# Allegro board 1155001-Timing_board_V3_20241024_1805_pcb.brd (continued)
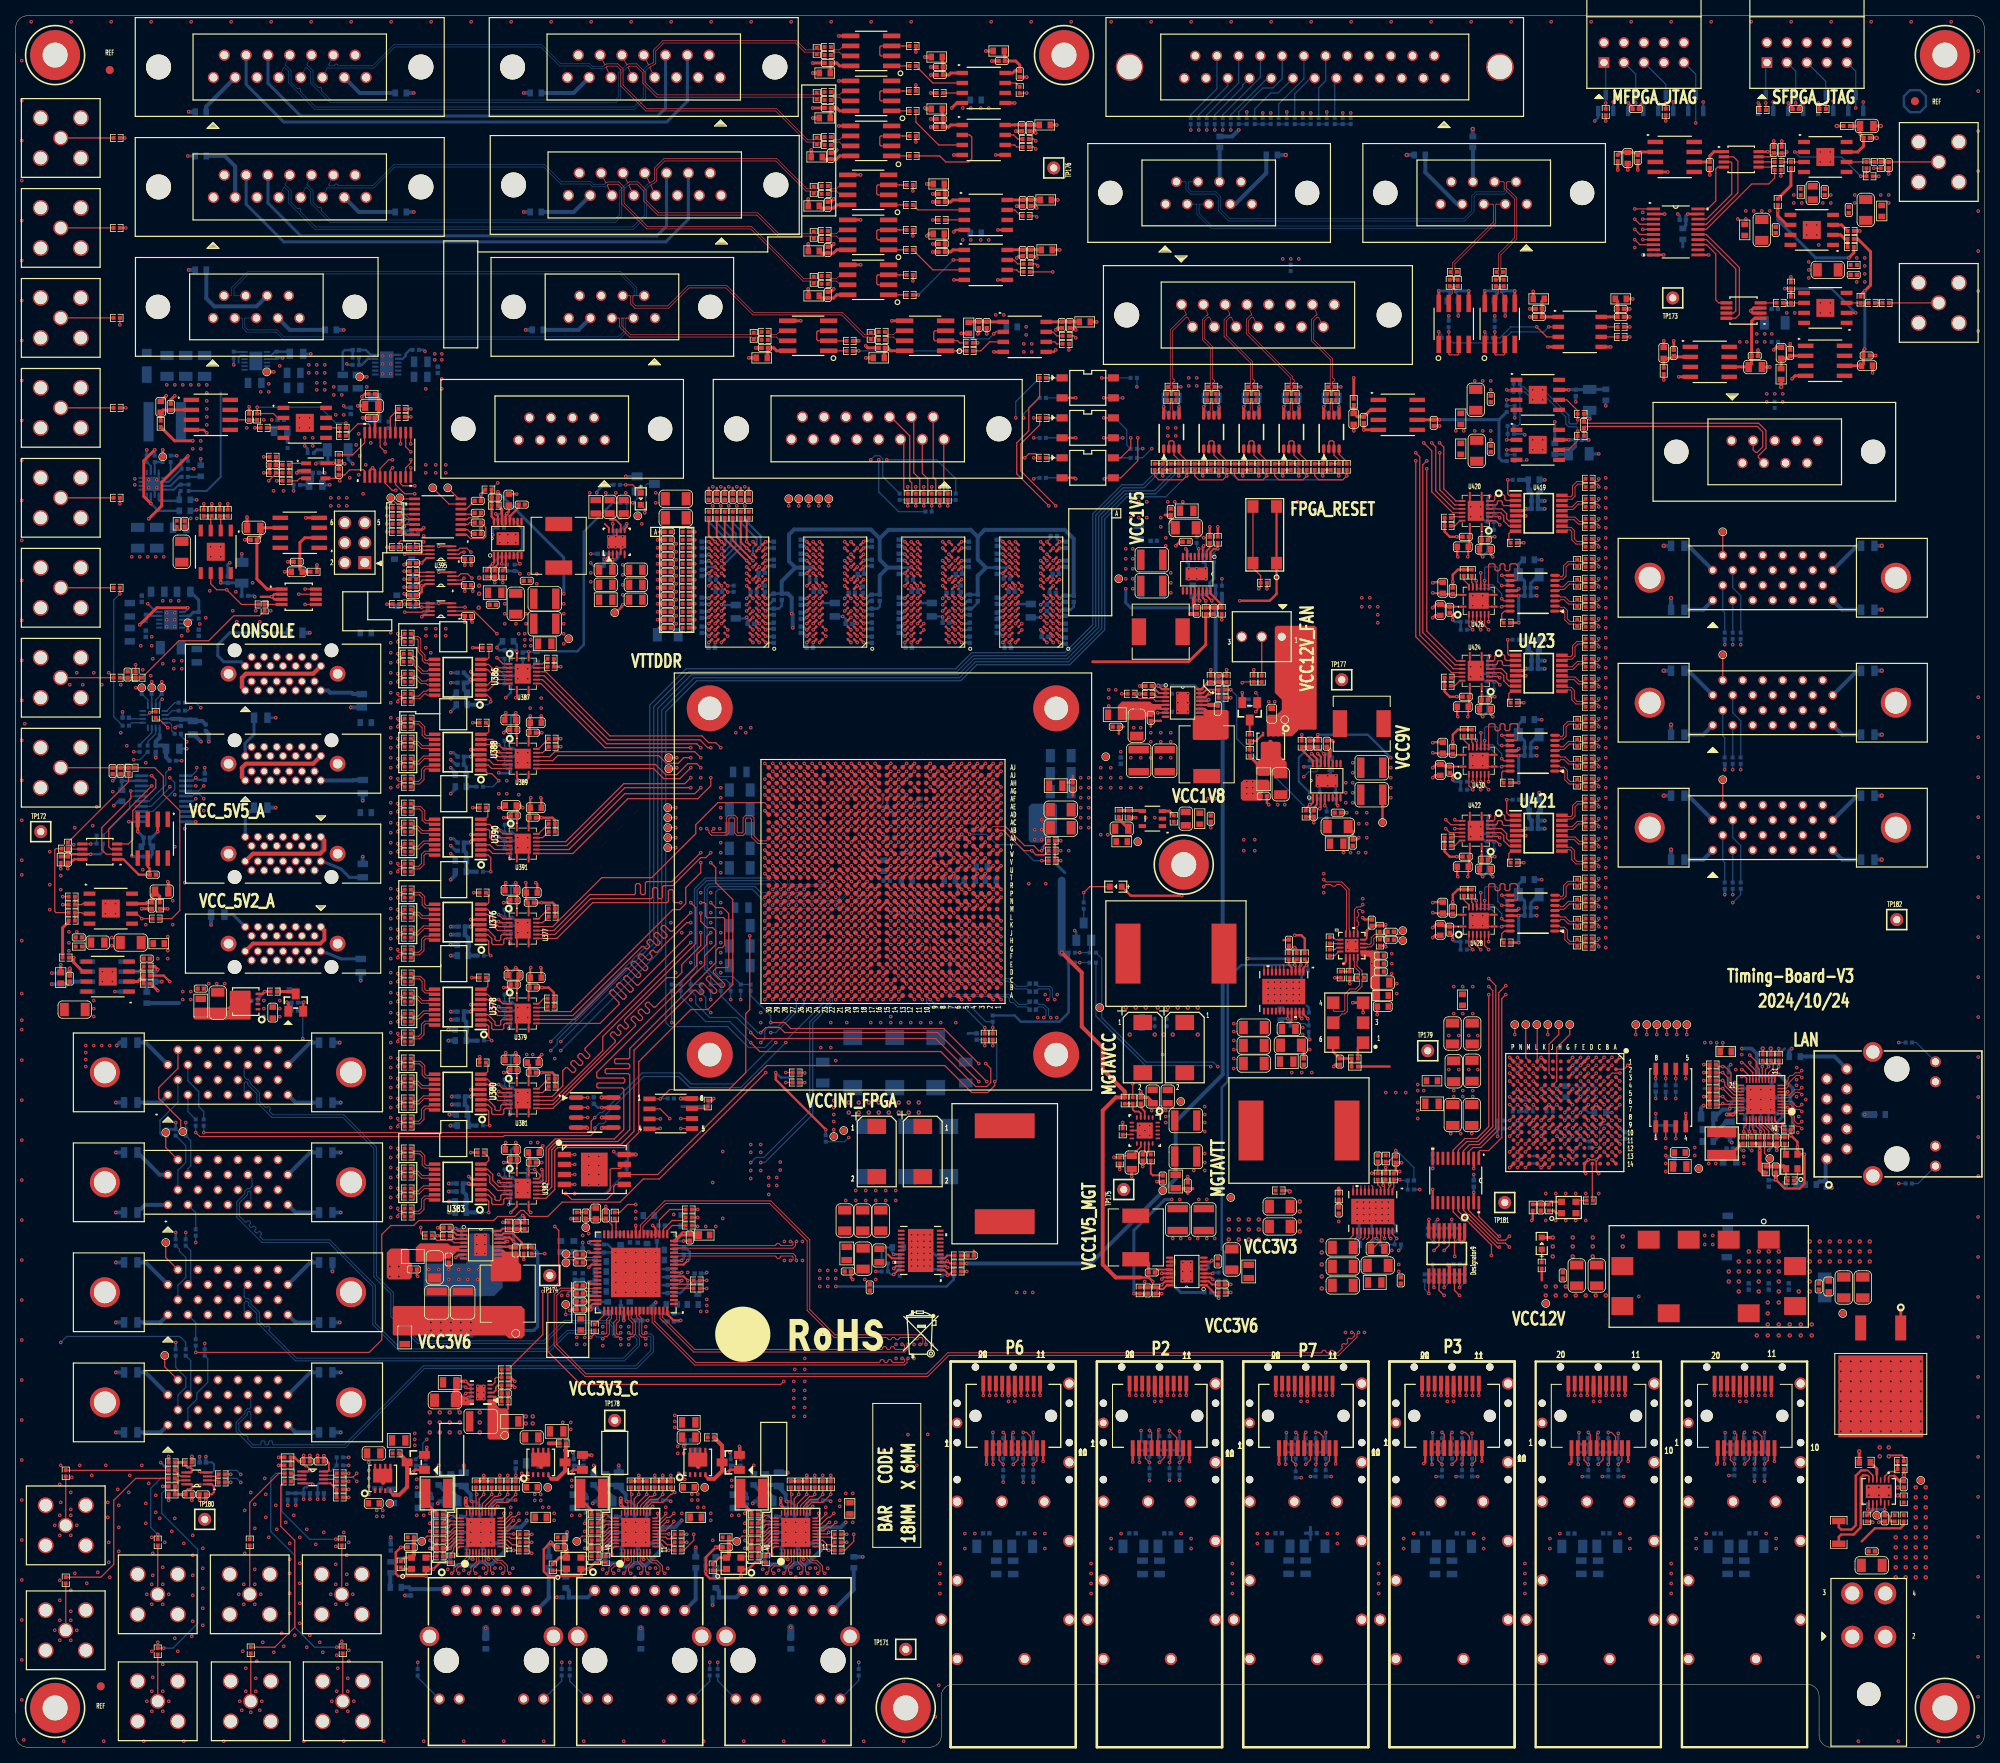
[diagram p0: board, top side]
## Nets (continued)
VCC3V3: C140.1(CAP2) C798.1(CAP2) C799.1(CAP2) C1265.2(CAP1) C2255.1(CAP2) C2256.1(CAP2) C2599.1(CAP2) C2632.2(CAP1) C2633.1(CAP2) C2634.1(CAP2) C2635.1(CAP2) C2636.1(CAP2) C2638.2(CAP1) C2641.2(CAP1) C2644.2(CAP1) C2796.1(CAP2) C2797.1(CAP2) C2800.1(CAP2) C2801.1(CAP2) C2867.2(CAP1) C2875.2(CAP1) C2876.2(CAP1) C2879.2(CAP1) C2880.2(CAP1) C2884.2(CAP1) C2888.2(CAP1) C2896.2(CAP1) C2897.2(CAP1) C2908.2(CAP1) C2911.2(CAP1) C2914.2(CAP1) C2915.2(CAP1) C2921.2(CAP1) C2922.2(CAP1) C3031.2(CAP1) C3033.2(CAP1) C3035.2(CAP1) C3036.2(CAP1) C3045.2(CAP1) C3046.2(CAP1) C3067.1(CAP2) C3068.1(CAP2) C3071.1(CAP2) C3072.1(CAP2) C3075.1(CAP2) C3076.1(CAP2) C3080.1(CAP2) D5.2 D6.2 D7.2 D8.2 DS10.1 J56.4 L6.1 L7.1 L11.1 L12.1 L43.2 L48.1 L55.2 L96.2 L97.1 L233.1 L257.1 L258.1 L259.1 L260.1 L266.1 L345.1 L356.1 L358.1 L359.1 L360.1 L361.1 L392.1 L394.1 L396.1 L398.1 L427.1 L428.1 L432.1 L433.1 L434.1 L436.1 L437.1 L438.1 L439.1 L445.1 L449.1 L461.1 L467.1 L469.1 L474.1 L476.1 L485.2 L486.1 L487.1 L488.1 L489.1 L490.1 L491.1 L492.1 L493.1 L494.1 L495.1 L511.2 L512.2 L513.2 L514.2 R11.1 R12.1 R13.1 R14.1 R18.1 R19.1 R20.1 R21.1 R22.1 R23.1 R87.1 R123.1 R124.1 R127.1 R128.1 R129.1 R130.1 R131.1 R132.1 R133.1 R134.1 R391.1 R392.1 R513.1 R516.1 R517.1 R520.1 R521.1 R658.1 R659.1 R660.1 R667.1 R668.1 R784.1 R785.1 R786.2 R787.1 R1085.2 R1115.1 R1199.1 R1928.1 R2051.1 R2052.1 R2053.1 R2054.1 R2055.1 R2056.1 R2057.1 R2058.1 R2059.1 R2060.1 R2061.1 R2062.1 R2063.1 R2064.1 R2065.1 R2066.1 R2184.1 R2187.1 R2354.1 R2409.1 R2412.1 R2415.1 R2461.1 R2462.1 R2530.1 R2609.1 R2621.1 R2874.2 R2875.2 R2897.2 R2898.2 R2915.2 R2916.2 R2921.2 R2922.2 R2953.2 R2958.2 R2977.2 R2978.2 R2995.2 R2996.2 R3177.1 R3178.1 R3179.1 R3180.1 R3181.1 R3182.1 R3183.1 R3184.1 R3188.1 R3189.1 R3190.1 R3191.1 R3192.1 R3193.1 R3194.1 R3195.1 R3199.2 R3200.2 R3215.2 R3216.2 R3231.2 R3232.2 R3339.1 R3352.1 R3359.1 R3360.1 R3367.1 R3368.1 R3375.1 R3376.1 R3383.1 R3384.1 TP45.1 U3.16(VCC) U88.M7(M0_0) U89.8(VCC) U324.2(VCCA) U324.10(OE) U350.1(VCCA) U351.8(VCCB) U352.1(VCCA) U353.8(VCCB) U377.1(VCCA) U379.1(VCCA) U381.1(VCCA) U382.1(VCCA) U387.1(VCCA) U389.1(VCCA) U391.1(VCCA) U420.1(VCCA) U422.1(VCCA) U424.1(VCCA) U426.16(VCCB) U428.16(VCCB) U430.16(VCCB) U431.19(VCCB) U432.16(VCC)
VCC3V3_1: C2885.1(CAP2) C2889.2(CAP1) C2890.1(CAP2) L433.2 R2876.1 U376.4(VCC)
VCC3V3_2: C2891.1(CAP2) C2892.2(CAP1) C2893.1(CAP2) L434.2 R2889.1 U378.4(VCC)
VCC3V3_3: C2881.1(CAP2) C2882.1(CAP2) C2886.2(CAP1) L432.2 R2905.1 U380.4(VCC)
VCC3V3_4: C2904.1(CAP2) C2906.2(CAP1) C2907.1(CAP2) L436.2 R2925.1 U383.4(VCC)
VCC3V3_6: C2923.1(CAP2) C2924.2(CAP1) C2925.1(CAP2) L438.2 R2955.1 U386.4(VCC)
VCC3V3_7: C2926.1(CAP2) C2927.2(CAP1) C2928.1(CAP2) L439.2 R2969.1 U388.4(VCC)
VCC3V3_8: C2916.1(CAP2) C2917.2(CAP1) C2918.1(CAP2) L437.2 R2987.1 U390.4(VCC)
VCC3V3_9: C3041.1(CAP2) C3042.2(CAP1) C3043.1(CAP2) L491.2 R3201.1 U419.4(VCC)
VCC3V3_10: C3038.1(CAP2) C3039.2(CAP1) C3040.1(CAP2) L490.2 R3217.1 U421.4(VCC)
VCC3V3_11: C3048.1(CAP2) C3049.2(CAP1) C3050.1(CAP2) L492.2 R3233.1 U423.4(VCC)
VCC3V3_12: C3052.2(CAP1) C3053.1(CAP2) C3060.1(CAP2) L493.2 R3245.1 U425.13(VCC)
VCC3V3_13: C3061.2(CAP1) C3062.1(CAP2) C3063.1(CAP2) L494.2 R3257.1 U427.13(VCC)
VCC3V3_14: C3064.2(CAP1) C3065.1(CAP2) C3066.1(CAP2) L495.2 R3267.1 U429.13(VCC)
VCC3V3_C: C936.1(CAP2) L54.2 L56.1 L57.1 L58.1 L59.1 L60.1 L61.1 L62.1 L63.1 L64.1 L65.1 L330.2
VCC3V3_C_BUF1: C932.2(CAP1) C933.1(CAP2) C934.2(CAP1) C935.2(CAP1) L56.2 R987.1 U245.5(VDD)
VCC3V3_C_PG: R1154.2 U247.J27(IO_L8P_T1_AD3P_15)
VCC3V3_FPGA: C402.1(CAP2) C636.1(CAP2) C638.1(CAP2) L233.2 U247.A19(VCCO_17#A19) U247.A29(VCCO_16#A29) U247.B16(VCCO_17#B16) U247.B26(VCCO_16#B26) U247.C13(VCCO_18#C13) U247.C23(VCCO_16#C23) U247.D10(VCCO_18#D10) U247.D20(VCCO_17#D20) U247.D30(VCCO_16#D30) U247.E17(VCCO_17#E17) U247.E27(VCCO_16#E27) U247.F14(VCCO_18#F14) U247.F24(VCCO_16#F24) U247.G11(VCCO_18#G11) U247.G21(VCCO_17#G21) U247.H18(VCCO_17#H18) U247.H28(VCCO_16#H28) U247.J15(VCCO_18#J15) U247.K12(VCCO_18#K12) U247.L19(VCCO_17#L19)
VCC3V3_FPGA_1_ETH: C2869.1(CAP2) C2871.1(CAP2) L422.1 L423.1 L424.1 L426.2 L427.2 L431.1 Q26.1(D1) Q26.2(D2) Q26.3(D3) R2741.1 R2742.1 R2752.1 R2753.1 R2754.1 R2755.1 R2756.1 R2757.1 R2758.1 R2759.1 R2760.1 TP170.1
VCC3V3_FPGA_1_ETH_TCT: L431.2 R2785.2
VCC3V3_FPGA_2_ETH: C2643.1(CAP2) C2771.1(CAP2) L346.1 L347.1 L348.1 L350.2 L358.2 L374.1 Q22.1(D1) Q22.2(D2) Q22.3(D3) R2467.1 R2468.1 R2478.1 R2479.1 R2480.1 R2481.1 R2482.1 R2483.1 R2484.1 R2485.1 R2486.1 TP167.1
VCC3V3_FPGA_2_ETH_TCT: L374.2 R2563.2
VCC3V3_FPGA_3_ETH: C2646.1(CAP2) C2772.1(CAP2) L351.1 L352.1 L353.1 L355.2 L360.2 L375.1 Q24.1(D1) Q24.2(D2) Q24.3(D3) R2498.1 R2499.1 R2509.1 R2510.1 R2511.1 R2512.1 R2513.1 R2514.1 R2515.1 R2516.1 R2517.1 TP168.1
VCC3V3_FPGA_3_ETH_TCT: L375.2 R2564.2
VCC3V3_PG: R1090.2 U247.M20(IO_L6P_T0_15)
VCC3V3_S_FPGA: C777.1(CAP2) C778.1(CAP2) C779.1(CAP2) C780.1(CAP2) C781.1(CAP2) C782.1(CAP2) C783.1(CAP2) C784.1(CAP2) C785.1(CAP2) C786.1(CAP2) C787.1(CAP2) C788.1(CAP2) C789.1(CAP2) C790.1(CAP2) L43.1 U88.G13(VCCO_14#G13) U88.K13(VCCO_14#K13) U88.N6(VCCO_0#N6) U88.N8(VCCO_0#N8) U88.N13(VCCO_14#N13)
VCC3V3_SFPGA_ETH: C866.1(CAP2) C1264.1(CAP2) L44.1 L45.2 L243.1 L244.1 L245.1 L345.2 R849.1 R850.1 R851.1 R857.1 R860.1 R861.1 R862.1 R863.1 R864.1 R865.1 R866.1 R867.1 TP60.1
VCC3V3_SFPGA_ETH_TCT: L44.2 R833.2
VCC3V6: L118.2 L122.1
VCC3V6_PG: R1141.1 U247.H29(IO_L7N_T1_AD10N_15)
VCC5V: L313.2 L393.1 L395.1 L397.1 L399.1 L444.1 L446.1 L448.1
VCC5V2_A: L47.1 L295.2 L331.1 L332.1 L335.1 L336.2 L496.1 L497.2 L498.2 L507.1 L510.1 L527.1
VCC5V_AD7680_ACS: C3112.2(CAP1) C3113.1(CAP2) U443.1(VDD) U444.6(VOUT)
VCC5V_MAX5216_VREF: C3083.2(CAP1) U433.6(VOUT) U434.1(REF)
VCC5V_PG: R2281.1 U247.J28(IO_L8N_T1_AD3N_15)
VCC9V: C1167.2(CAP1) C1168.1(CAP2) C1169.1(CAP2) C1170.1(CAP2) C1171.1(CAP2) L88.2 R1055.2 TP42.1 U114.14(BIAS)
VCC9V_PG: R1088.1 U247.J22(IO_L5N_T0_AD2N_15)
VCC10V_A: L267.1 L269.1 L271.1 L322.1 L333.2 L478.1 L483.2 L500.2 L505.2 L509.2 L529.2 L531.2
VCC12V: C1135.2(CAP1) C1137.1(CAP2) C1138.1(CAP2) C1181.2(CAP1) C1182.2(CAP1) C1183.2(CAP1) C1187.2(CAP1) C1201.2(CAP1) C1211.2(CAP1) C1218.2(CAP1) C1338.2(CAP1) C1348.2(CAP1) C2435.2(CAP1) C2527.2(CAP1) C2594.2(CAP1) C3016.1(CAP2) C3092.2(CAP1) L87.1 L89.1 L90.1 L93.1 L98.1 L100.1 L101.1 L117.1 L131.1 L134.1 L287.1 L290.2 L292.2 L312.1 L334.1 L344.2 L482.1 L502.1 R1045.1 R2050.1 TP39.1 U111.6(QPI+1) U111.7(QPI+2)
VCC12V_EDS_ON: C3094.1(CAP2) L288.2 Q28.1(D1) Q28.2(D2) Q28.3(D3)
VCC12V_EDS_ON_EN: R3327.2 U247.M23(IO_L24N_T3_RS0_15)
VCC12V_FAN: C1347.1(CAP2) J61.1(P1) Q20.1(D1) Q20.2(D2) Q20.3(D3) TP69.1
VCC12V_FAN_EN: R1197.2 U247.P19(IO_25_15)
VCC12V_IN: C1134.1(CAP2) C1136.2(CAP1) C1139.1(CAP2) C1140.1(CAP2) C1142.1(CAP2) C1144.1(CAP2) C1145.2(CAP1) C1149.1(CAP2) C1150.1(CAP2) C1152.2(CAP1) Q1.S R1033.1 R1040.1 TP37.1 U111.8(BUS+1) U111.9(BUS+2) U112.3(OUT)
VCC12V_IN_CON: C1147.1(CAP2) C1148.2(CAP1) J18.1(POWER#1) J18.3(POWER#3) R1034.1 R1037.1 R1038.1 U112.6(VCC)
VCC-2V5_VREF: R3113.2 R3130.2
VCC-2V5_VREF_ACS: R3284.1 R3340.2
VCC-10V4_A: C2109.1(CAP2) C2936.1(CAP2) C2937.1(CAP2) C2938.1(CAP2) D9.2 R3124.1 U239.1(IN) U239.2(IN_1) U239.3(EN/UV) U239.5(PGFB) U239.13(IN_2)
VCC-10V_A: L264.2 L268.1 L270.1 L477.1 L479.1 L484.1 L499.1 L506.1 L508.1 L528.1 L530.1
VCC_BPSI: J77.1(INNER SHIELD1) J77.26(INNER SHIELD4) L290.1
VCC_BPSR: J80.1(INNER SHIELD1) J80.26(INNER SHIELD4) L292.1
VCC_BPSR2: J104.1(INNER SHIELD1) J104.26(INNER SHIELD4) L344.1
VCC_EDS: J81.1(INNER SHIELD1) J81.26(INNER SHIELD4) L288.1
VCCAUX: C123.1(CAP2) C399.1(CAP2) C418.1(CAP2) C419.1(CAP2) C420.1(CAP2) C421.1(CAP2) C422.1(CAP2) L5.2 L34.1 U247.C10(VCCBATT_0) U247.P13(VCCAUX#P13) U247.T13(VCCAUX#T13) U247.V11(VCCAUX_IO_G0#V11) U247.V13(VCCAUX#V13) U247.V15(VCCAUX#V15) U247.W10(VCCAUX_IO_G0#W10) U247.W12(VCCAUX_IO_G0#W12) U247.W14(VCCAUX#W14)
VCCINT_FPGA: C150.1(CAP2) C151.1(CAP2) C152.1(CAP2) C153.1(CAP2) C493.1(CAP2) C494.1(CAP2) C495.1(CAP2) C496.1(CAP2) C497.1(CAP2) C498.1(CAP2) C499.1(CAP2) C500.1(CAP2) C501.1(CAP2) C502.1(CAP2) C503.1(CAP2) C504.1(CAP2) CC1.1 CC2.1 CC3.1 CC4.1 CC5.1 CC6.1 CC7.1 CC8.1 L36.2 L85.1 R1047.2 TP41.1 U247.M11(VCCINT#M11) U247.M13(VCCINT#M13) U247.M15(VCCINT#M15) U247.M17(VCCINT#M17) U247.N10(VCCINT#N10) U247.N12(VCCINT#N12) U247.N14(VCCINT#N14) U247.N16(VCCBRAM#N16) U247.N18(VCCINT#N18) U247.P11(VCCINT#P11) U247.P17(VCCINT#P17) U247.R10(VCCINT#R10) U247.R12(VCCINT#R12) U247.R16(VCCBRAM#R16) U247.R18(VCCINT#R18) U247.T11(VCCINT#T11) U247.T17(VCCINT#T17) U247.U10(VCCINT#U10) U247.U12(VCCINT#U12) U247.U16(VCCBRAM#U16) U247.U18(VCCINT#U18) U247.V17(VCCINT#V17) U247.W16(VCCBRAM#W16) U247.W18(VCCINT#W18)
VCCINT_FPGA_PG: R1041.2 R1059.1 R1101.2 U113.3(PGOOD)
VCCINT_S_FPGA: C751.1(CAP2) C753.1(CAP2) C754.1(CAP2) C757.1(CAP2) C758.1(CAP2) C759.1(CAP2) C766.1(CAP2) C767.1(CAP2) C768.1(CAP2) L36.1 U88.D6(VCCINT#D6) U88.D8(VCCINT#D8) U88.E5(VCCBRAM#E5) U88.E7(VCCINT#E7) U88.E9(VCCINT#E9) U88.F6(VCCINT#F6) U88.G5(VCCBRAM#G5) U88.G9(VCCINT#G9) U88.H6(VCCINT#H6) U88.J5(VCCBRAM#J5) U88.J9(VCCINT#J9) U88.K6(VCCINT#K6) U88.K8(VCCINT#K8)
ACS_ANALOG_OUT: C3114.2(CAP1) J126.1(SIG) R3288.2 R3398.2
ACS_ANALOG_OUT_DB: R3398.1 R3410.1
ACS_ANALOG_OUT_DB_N: C3151.1(CAP2) J130.7 R3402.2
ACS_ANALOG_OUT_DB_P: C3151.2(CAP1) J130.2 R3409.2
ACS_VREF: C3138.2(CAP1) R3405.2 R3407.2 U454.6(VOUT)
AD5445_CSN: U247.K19(IO_L6P_T0_17) U271.16(*CS)
AD5445_DB0: R2077.2 U247.K20(IO_L6N_T0_VREF_17)
AD5445_DB1: R2078.2 U247.H21(IO_L7P_T1_17)
AD5445_DB2: U247.H22(IO_L7N_T1_17) U271.13(DB2)
AD5445_DB3: U247.D21(IO_L8P_T1_17) U271.12(DB3)
AD5445_DB4: U247.C21(IO_L8N_T1_17) U271.11(DB4)
AD5445_DB5: U247.G22(IO_L9P_T1_DQS_17) U271.10(DB5)
AD5445_DB6: U247.F22(IO_L9N_T1_DQS_17) U271.9(DB6)
AD5445_DB7: U247.D22(IO_L10P_T1_17) U271.8(DB7)
AD5445_DB8: U247.C22(IO_L10N_T1_17) U271.7(DB8)
AD5445_DB9: U247.F21(IO_L11P_T1_SRCC_17) U271.6(DB9)
AD5445_DB10: U247.E21(IO_L11N_T1_SRCC_17) U271.5(DB10)
AD5445_DB11: U247.F20(IO_L12P_T1_MRCC_17) U271.4(DB11)
AD5445_R_WN: U247.L18(IO_L5N_T0_17) U271.17(R/*W)
AD5592_1_SPI_CLK: R944.2 U247.F27(IO_L21N_T3_DQS_16)
AD5592_1_SPI_CS_B: R943.2 U247.G27(IO_L21P_T3_DQS_16)
AD5592_1_SPI_MISO: R946.2 U247.F30(IO_L22N_T3_16)
AD5592_1_SPI_MOSI: R945.2 U247.G29(IO_L22P_T3_16)
AD7680_CS: U323.8(CS*) U324.15(B5)
AD7680_CS_ACS: U435.15(B5) U443.8(CS*)
AD7680_CS_ACS_LS: U247.T25(IO_L14P_T2_SRCC_14) U435.6(A5)
AD7680_CS_LS: U247.J19(IO_L4P_T0_17) U324.6(A5)
AD7680_SCLK: U323.5(SCLK) U324.13(B7)
AD7680_SCLK_ACS: U435.13(B7) U443.5(SCLK)
AD7680_SCLK_ACS_LS: U247.U30(IO_L15N_T2_DQS_DOUT_CSO_B_14) U435.8(A7)
AD7680_SCLK_LS: U247.L17(IO_L5P_T0_17) U324.8(A7)
AD7680_SDATA: U323.7(SDATA) U324.14(B6)
AD7680_SDATA_ACS: U435.14(B6) U443.7(SDATA)
AD7680_SDATA_ACS_LS: U247.U25(IO_L14N_T2_SRCC_14) U435.7(A6)
AD7680_SDATA_LS: U247.H19(IO_L4N_T0_17) U324.7(A6)
ANALOG_ACS_VOLTAGE_IN: R3347.1 R3350.1 U441.6(OUT)
BPSI_CLK_N_C: J77.22(XCLK-) R2962.2
BPSI_CLK_P: U247.AF22(IO_L13P_T2_MRCC_12) U387.12(1B2)
BPSI_CLK_P_C: J77.9(XCLK+) R2961.2
BPSI_CLK_P_H: U386.6(DIN3) U387.5(1A2)
BPSI_DATA0_N_C: J77.25(X0-) R2957.2
BPSI_DATA0_P: U247.AG25(IO_L18P_T2_12) U387.10(2B2)
BPSI_DATA0_P_C: J77.12(X0+) R2956.2
BPSI_DATA0_P_H: U386.2(DIN1) U387.7(2A2)
BPSI_DATA1_N_C: J77.24(X1-) R2960.2
BPSI_DATA1_P: U247.AE23(IO_L11P_T1_SRCC_12) U387.11(2B1)
BPSI_DATA1_P_C: J77.11(X1+) R2959.2
BPSI_DATA1_P_H: U386.3(DIN2) U387.6(2A1)
BPSI_DATA2_N: J77.23(X2-) U247.AA21(IO_L2N_T0_12)
BPSI_DATA2_P: J77.10(X2+) U247.Y21(IO_L2P_T0_12)
BPSI_DATA3_N: J77.21(X3-) U247.Y24(IO_L1N_T0_12)
BPSI_DATA3_P: J77.8(X3+) U247.Y23(IO_L1P_T0_12)
BPSR2_CLK_N_C: J104.22(XCLK-) R2974.2
BPSR2_CLK_P: U247.AB22(IO_L3P_T0_DQS_12) U389.11(2B1)
BPSR2_CLK_P_C: J104.9(XCLK+) R2973.2
BPSR2_CLK_P_H: U388.3(DIN2) U389.6(2A1)
BPSR2_DATA0_N_C: J104.25(X0-) R2968.2
BPSR2_DATA0_P: U247.AJ22(IO_L21P_T3_DQS_12) U387.13(1B1)
BPSR2_DATA0_P_C: J104.12(X0+) R2964.2
BPSR2_DATA0_P_H: U386.7(DIN4) U387.4(1A1)
BPSR2_DATA1_N_C: J104.24(X1-) R2972.2
BPSR2_DATA1_P: U247.AA22(IO_L4P_T0_12) U389.10(2B2)
BPSR2_DATA1_P_C: J104.11(X1+) R2970.2
BPSR2_DATA1_P_H: U388.2(DIN1) U389.7(2A2)
BPSR2_DATA2_N: J104.23(X2-) U247.AH22(IO_L20N_T3_12)
BPSR2_DATA2_P: J104.10(X2+) U247.AG22(IO_L20P_T3_12)
BPSR2_DATA3_N: J104.21(X3-) U247.AF21(IO_L19N_T3_VREF_12)
BPSR2_DATA3_P: J104.8(X3+) U247.AF20(IO_L19P_T3_12)
BPSR_CLK_N_C: J80.22(XCLK-) R2988.2
BPSR_CLK_P: U247.AJ28(IO_L17P_T2_13) U391.10(2B2)
BPSR_CLK_P_C: J80.9(XCLK+) R2985.2
BPSR_CLK_P_H: U390.2(DIN1) U391.7(2A2)
BPSR_DATA0_N_C: J80.25(X0-) R2976.2
BPSR_DATA0_P: U247.AC20(IO_L5P_T0_12) U389.12(1B2)
BPSR_DATA0_P_C: J80.12(X0+) R2975.2
BPSR_DATA0_P_H: U388.6(DIN3) U389.5(1A2)
BPSR_DATA1_N_C: J80.24(X1-) R2980.2
BPSR_DATA1_P: U247.AD23(IO_L12P_T1_MRCC_12) U389.13(1B1)
BPSR_DATA1_P_C: J80.11(X1+) R2979.2
BPSR_DATA1_P_H: U388.7(DIN4) U389.4(1A1)
BPSR_DATA2_N: J80.23(X2-) U247.AC25(IO_L7N_T1_12)
BPSR_DATA2_P: J80.10(X2+) U247.AB24(IO_L7P_T1_12)
BPSR_DATA3_N: J80.21(X3-) U247.AD22(IO_L8N_T1_12)
BPSR_DATA3_P: J80.8(X3+) U247.AC22(IO_L8P_T1_12)
CHAN2_N: J127.4 R3378.2 R3380.2
CHAN2_P: J127.12 R3378.1 R3381.2
CLOCK_N: J127.1 R3370.2 R3373.2
CLOCK_P: J127.9 R3370.1 R3372.2
DDR3_A_A0: R460.2 U75.N3(A0) U76.N3(A0) U77.N3(A0) U78.N3(A0) U247.AB9(IO_L3P_T0_DQS_33)
DDR3_A_A1: R461.2 U75.P7(A1) U76.P7(A1) U77.P7(A1) U78.P7(A1) U247.AA11(IO_L5P_T0_33)
DDR3_A_A2: R462.2 U75.P3(A2) U76.P3(A2) U77.P3(A2) U78.P3(A2) U247.AC10(IO_L7N_T1_33)
DDR3_A_A3: R463.2 U75.N2(A3) U76.N2(A3) U77.N2(A3) U78.N2(A3) U247.AC9(IO_L3N_T0_DQS_33)
DDR3_A_A4: R464.2 U75.P8(A4) U76.P8(A4) U77.P8(A4) U78.P8(A4) U247.AB12(IO_L1N_T0_33)
DDR3_A_A5: R465.2 U75.P2(A5) U76.P2(A5) U77.P2(A5) U78.P2(A5) U247.AA12(IO_L1P_T0_33)
DDR3_A_A6: R466.2 U75.R8(A6) U76.R8(A6) U77.R8(A6) U78.R8(A6) U247.AB10(IO_L7P_T1_33)
DDR3_A_A7: R467.2 U75.R2(A7) U76.R2(A7) U77.R2(A7) U78.R2(A7) U247.AA8(IO_L2P_T0_33)
DDR3_A_A8: R468.2 U75.T8(A8) U76.T8(A8) U77.T8(A8) U78.T8(A8) U247.Y11(IO_L4P_T0_33)
DDR3_A_A9: R469.2 U75.R3(A9) U76.R3(A9) U77.R3(A9) U78.R3(A9) U247.AA10(IO_L5N_T0_33)
DDR3_A_A10: R470.2 U75.L7(A10/AP) U76.L7(A10/AP) U77.L7(A10/AP) U78.L7(A10/AP) U247.AE9(IO_L10N_T1_33)
DDR3_A_A11: R471.2 U75.R7(A11) U76.R7(A11) U77.R7(A11) U78.R7(A11) U247.AB8(IO_L2N_T0_33)
DDR3_A_A12: R472.2 U75.N7(A12/BC#) U76.N7(A12/BC#) U77.N7(A12/BC#) U78.N7(A12/BC#) U247.AD8(IO_L8P_T1_33)
DDR3_A_A13: R473.2 U75.T3(A13) U76.T3(A13) U77.T3(A13) U78.T3(A13) U247.AA13(IO_L6P_T0_33)
DDR3_A_A14: R474.2 U75.T7(A14) U76.T7(A14) U77.T7(A14) U78.T7(A14) U247.Y10(IO_L4N_T0_33)
DDR3_A_A15: R475.2 U75.M7(A15) U76.M7(A15) U77.M7(A15) U78.M7(A15) U247.AE8(IO_L8N_T1_33)
DDR3_A_BA0: R476.2 U75.M2(BA0) U76.M2(BA0) U77.M2(BA0) U78.M2(BA0) U247.AC12(IO_L9P_T1_DQS_33)
DDR3_A_BA1: R477.2 U75.N8(BA1) U76.N8(BA1) U77.N8(BA1) U78.N8(BA1) U247.AC11(IO_L9N_T1_DQS_33)
DDR3_A_BA2: R478.2 U75.M3(BA2) U76.M3(BA2) U77.M3(BA2) U78.M3(BA2) U247.AD9(IO_L10P_T1_33)
DDR3_A_CAS_B: R481.2 U75.K3(CAS#) U76.K3(CAS#) U77.K3(CAS#) U78.K3(CAS#) U247.AG9(IO_L16P_T2_33)
DDR3_A_CKE: R483.2 U75.K9(CKE) U76.K9(CKE) U77.K9(CKE) U78.K9(CKE) U247.AE10(IO_L14P_T2_SRCC_33)
DDR3_A_CLK0_N: R488.2 U75.K7(CK#) U76.K7(CK#) U77.K7(CK#) U78.K7(CK#) U247.AD11(IO_L12N_T1_MRCC_33)
DDR3_A_CLK0_P: R488.1 U75.J7(CK) U76.J7(CK) U77.J7(CK) U78.J7(CK) U247.AD12(IO_L12P_T1_MRCC_33)
DDR3_A_D0: U75.E3(DQ0) U247.AK6(IO_L22N_T3_34)
DDR3_A_D1: U75.F7(DQ1) U247.AG7(IO_L20N_T3_34)
DDR3_A_D2: U75.F2(DQ2) U247.AJ6(IO_L22P_T3_34)
DDR3_A_D3: U75.F8(DQ3) U247.AK8(IO_L23N_T3_34)
DDR3_A_D4: U75.H3(DQ4) U247.AK4(IO_L24N_T3_34)
DDR3_A_D5: U75.H8(DQ5) U247.AJ8(IO_L23P_T3_34)
DDR3_A_D6: U75.G2(DQ6) U247.AK5(IO_L24P_T3_34)
DDR3_A_D7: U75.H7(DQ7) U247.AF8(IO_L19P_T3_34)
DDR3_A_D8: U75.D7(DQ8) U247.AJ3(IO_L18P_T2_34)
DDR3_A_D9: U75.C3(DQ9) U247.AH2(IO_L16P_T2_34)
DDR3_A_D10: U75.C8(DQ10) U247.AH6(IO_L14P_T2_SRCC_34)
DDR3_A_D11: U75.C2(DQ11) U247.AJ1(IO_L17P_T2_34)
DDR3_A_D12: U75.A7(DQ12) U247.AJ4(IO_L13N_T2_MRCC_34)
DDR3_A_D13: U75.A2(DQ13) U247.AK1(IO_L17N_T2_34)
DDR3_A_D14: U75.B8(DQ14) U247.AH5(IO_L14N_T2_SRCC_34)
DDR3_A_D15: U75.A3(DQ15) U247.AJ2(IO_L16N_T2_34)
DDR3_A_D16: U76.E3(DQ0) U247.AE4(IO_L10P_T1_34)
DDR3_A_D17: U76.F7(DQ1) U247.AE3(IO_L10N_T1_34)
DDR3_A_D18: U76.F2(DQ2) U247.AF5(IO_L11N_T1_SRCC_34)
DDR3_A_D19: U76.F8(DQ3) U247.AF1(IO_L8N_T1_34)
DDR3_A_D20: U76.H3(DQ4) U247.AF6(IO_L12P_T1_MRCC_34)
DDR3_A_D21: U76.H8(DQ5) U247.AF2(IO_L7N_T1_34)
DDR3_A_D22: U76.G2(DQ6) U247.AE5(IO_L11P_T1_SRCC_34)
DDR3_A_D23: U76.H7(DQ7) U247.AG5(IO_L12N_T1_MRCC_34)
DDR3_A_D24: U76.D7(DQ8) U247.AD4(IO_L1P_T0_34)
DDR3_A_D25: U76.C3(DQ9) U247.AC4(IO_L4N_T0_34)
DDR3_A_D26: U76.C8(DQ10) U247.AE6(IO_L5N_T0_34)
DDR3_A_D27: U76.C2(DQ11) U247.AC7(IO_L6P_T0_34)
DDR3_A_D28: U76.A7(DQ12) U247.AD3(IO_L1N_T0_34)
DDR3_A_D29: U76.A2(DQ13) U247.AC5(IO_L4P_T0_34)
DDR3_A_D30: U76.B8(DQ14) U247.AD6(IO_L5P_T0_34)
DDR3_A_D31: U76.A3(DQ15) U247.AC2(IO_L2P_T0_34)
DDR3_A_D32: U77.E3(DQ0) U247.AG15(IO_L2P_T0_32)
DDR3_A_D33: U77.F7(DQ1) U247.AK16(IO_L1P_T0_32)
DDR3_A_D34: U77.F2(DQ2) U247.AH15(IO_L2N_T0_32)
DDR3_A_D35: U77.F8(DQ3) U247.AE16(IO_L6P_T0_32)
DDR3_A_D36: U77.H3(DQ4) U247.AG14(IO_L4N_T0_32)
DDR3_A_D37: U77.H8(DQ5) U247.AJ17(IO_L5N_T0_32)
DDR3_A_D38: U77.G2(DQ6) U247.AK15(IO_L1N_T0_32)
DDR3_A_D39: U77.H7(DQ7) U247.AH17(IO_L5P_T0_32)
DDR3_A_D40: U77.D7(DQ8) U247.AJ19(IO_L7P_T1_32)
DDR3_A_D41: U77.C3(DQ9) U247.AH19(IO_L8N_T1_32)
DDR3_A_D42: U77.C8(DQ10) U247.AD19(IO_L10P_T1_32)
DDR3_A_D43: U77.C2(DQ11) U247.AF17(IO_L12P_T1_MRCC_32)
DDR3_A_D44: U77.A7(DQ12) U247.AK19(IO_L7N_T1_32)
DDR3_A_D45: U77.A2(DQ13) U247.AG18(IO_L11N_T1_SRCC_32)
DDR3_A_D46: U77.B8(DQ14) U247.AE19(IO_L10N_T1_32)
DDR3_A_D47: U77.A3(DQ15) U247.AG19(IO_L8P_T1_32)
DDR3_A_D48: U78.E3(DQ0) U247.AB17(IO_L18P_T2_32)
DDR3_A_D49: U78.F7(DQ1) U247.AC17(IO_L18N_T2_32)
DDR3_A_D50: U78.F2(DQ2) U247.AB18(IO_L16N_T2_32)
DDR3_A_D51: U78.F8(DQ3) U247.AD17(IO_L14P_T2_SRCC_32)
DDR3_A_D52: U78.H3(DQ4) U247.AA18(IO_L16P_T2_32)
DDR3_A_D53: U78.H8(DQ5) U247.AD18(IO_L13P_T2_MRCC_32)
DDR3_A_D54: U78.G2(DQ6) U247.AB19(IO_L17P_T2_32)
DDR3_A_D55: U78.H7(DQ7) U247.AE18(IO_L13N_T2_MRCC_32)
DDR3_A_D56: U78.D7(DQ8) U247.AD14(IO_L22N_T3_32)
DDR3_A_D57: U78.C3(DQ9) U247.AC14(IO_L22P_T3_32)
DDR3_A_D58: U78.C8(DQ10) U247.AA16(IO_L23N_T3_32)
DDR3_A_D59: U78.C2(DQ11) U247.AA15(IO_L20P_T3_32)
DDR3_A_D60: U78.A7(DQ12) U247.AE15(IO_L19P_T3_32)
DDR3_A_D61: U78.A2(DQ13) U247.Y16(IO_L24P_T3_32)
DDR3_A_D62: U78.B8(DQ14) U247.AA17(IO_L23P_T3_32)
DDR3_A_D63: U78.A3(DQ15) U247.AB15(IO_L20N_T3_32)
DDR3_A_DM0: U75.E7(LDM) U247.AF7(IO_L20P_T3_34)
DDR3_A_DM1: U75.D3(UDM) U247.AK3(IO_L18N_T2_34)
DDR3_A_DM2: U76.E7(LDM) U247.AE1(IO_L8P_T1_34)
DDR3_A_DM3: U76.D3(UDM) U247.AC1(IO_L2N_T0_34)
DDR3_A_DM4: U77.E7(LDM) U247.AF15(IO_L4P_T0_32)
DDR3_A_DM5: U77.D3(UDM) U247.AF18(IO_L11P_T1_SRCC_32)
DDR3_A_DM6: U78.E7(LDM) U247.AC19(IO_L17N_T2_32)
DDR3_A_DM7: U78.D3(UDM) U247.Y15(IO_L24N_T3_32)
DDR3_A_DQS0_N: U75.G3(LDQS#) U247.AJ7(IO_L21N_T3_DQS_34)
DDR3_A_DQS0_P: U75.F3(LDQS) U247.AH7(IO_L21P_T3_DQS_34)
DDR3_A_DQS1_N: U75.B7(UDQS#) U247.AH1(IO_L15N_T2_DQS_34)
DDR3_A_DQS1_P: U75.C7(UDQS) U247.AG2(IO_L15P_T2_DQS_34)
DDR3_A_DQS2_N: U76.G3(LDQS#) U247.AG3(IO_L9N_T1_DQS_34)
DDR3_A_DQS2_P: U76.F3(LDQS) U247.AG4(IO_L9P_T1_DQS_34)
DDR3_A_DQS3_N: U76.B7(UDQS#) U247.AD1(IO_L3N_T0_DQS_34)
DDR3_A_DQS3_P: U76.C7(UDQS) U247.AD2(IO_L3P_T0_DQS_34)
DDR3_A_DQS4_N: U77.G3(LDQS#) U247.AJ16(IO_L3N_T0_DQS_32)
DDR3_A_DQS4_P: U77.F3(LDQS) U247.AH16(IO_L3P_T0_DQS_32)
DDR3_A_DQS5_N: U77.B7(UDQS#) U247.AK18(IO_L9N_T1_DQS_32)
DDR3_A_DQS5_P: U77.C7(UDQS) U247.AJ18(IO_L9P_T1_DQS_32)
DDR3_A_DQS6_N: U78.G3(LDQS#) U247.Y18(IO_L15N_T2_DQS_32)
DDR3_A_DQS6_P: U78.F3(LDQS) U247.Y19(IO_L15P_T2_DQS_32)
DDR3_A_DQS7_N: U78.B7(UDQS#) U247.AC15(IO_L21N_T3_DQS_32)
DDR3_A_DQS7_P: U78.C7(UDQS) U247.AC16(IO_L21P_T3_DQS_32)
DDR3_A_ODT: R484.2 U75.K1(ODT0) U76.K1(ODT0) U77.K1(ODT0) U78.K1(ODT0) U247.AK10(IO_L17N_T2_33)
DDR3_A_RAS_B: R482.2 U75.J3(RAS#) U76.J3(RAS#) U77.J3(RAS#) U78.J3(RAS#) U247.AK9(IO_L15N_T2_DQS_33)
DDR3_A_RESET_B: R8.1 U75.T2(RESET#) U76.T2(RESET#) U77.T2(RESET#) U78.T2(RESET#) U247.AE13(IO_L19P_T3_33)
DDR3_A_S0_B: R479.2 U75.L2(CS#) U76.L2(CS#) U77.L2(CS#) U78.L2(CS#) U247.AH9(IO_L16N_T2_33)
DDR3_A_WE_B: R480.2 U75.L3(WE#) U76.L3(WE#) U77.L3(WE#) U78.L3(WE#) U247.AJ9(IO_L15P_T2_DQS_33)
DDR_POWER_GOOD: Q10.1(GATE) R220.2 R459.2 U247.J23(IO_L1P_T0_AD0P_15)
EDS_CC1_N: J81.18(CC1-) U247.AB30(IO_L10N_T1_13)
EDS_CC1_P: J81.5(CC1+) U247.AB29(IO_L10P_T1_13)
EDS_CC2_N: J81.4(CC2-) U247.AA28(IO_L3N_T0_DQS_13)
EDS_CC2_P: J81.17(CC2+) U247.Y28(IO_L3P_T0_DQS_13)
EDS_CC3_N: J81.16(CC3-) U247.AA30(IO_L8N_T1_13)
EDS_CC3_P: J81.3(CC3+) U247.Y30(IO_L8P_T1_13)
EDS_CC4_N: J81.2(CC4-) U247.Y29(IO_L4N_T0_13)
EDS_CC4_P: J81.15(CC4+) U247.W29(IO_L4P_T0_13)
EDS_CLK_N_C: J81.22(XCLK-) R2990.2
EDS_CLK_P: U247.AG29(IO_L13P_T2_MRCC_13) U391.11(2B1)
EDS_CLK_P_C: J81.9(XCLK+) R2989.2
EDS_CLK_P_H: U390.3(DIN2) U391.6(2A1)
EDS_DATA0_N: J81.25(X0-) U247.AB25(IO_L6N_T0_VREF_13)
EDS_DATA0_P: J81.12(X0+) U247.AA25(IO_L6P_T0_13)
EDS_DATA1_N: J81.24(X1-) U247.AE29(IO_L9N_T1_DQS_13)
EDS_DATA1_P: J81.11(X1+) U247.AD29(IO_L9P_T1_DQS_13)
EDS_DATA2_N: J81.23(X2-) U247.AA26(IO_L1N_T0_13)
EDS_DATA2_P: J81.10(X2+) U247.Y26(IO_L1P_T0_13)
EDS_DATA3_N: J81.21(X3-) U247.AB28(IO_L5N_T0_13)
EDS_DATA3_P: J81.8(X3+) U247.AA27(IO_L5P_T0_13)
EDS_TC_N_C: J81.7(SERTC-) R2992.2
EDS_TC_P: U247.AD27(IO_L11P_T1_SRCC_13) U391.12(1B2)
EDS_TC_P_C: J81.20(SERTC+) R2991.2
EDS_TC_P_H: U390.6(DIN3) U391.5(1A2)
EDS_TFG_N_C: J81.19(SERTFG-) R2994.2
EDS_TFG_P: U247.AG30(IO_L18P_T2_13) U391.13(1B1)
EDS_TFG_P_C: J81.6(SERTFG+) R2993.2
EDS_TFG_P_H: U390.7(DIN4) U391.4(1A1)
EEPROM_CS_B: R277.2 U6.1(C\S\) U247.J24(IO_L1N_T0_AD0N_15)
EEPROM_SCK: U6.6(SCK) U247.K24(IO_L3N_T0_DQS_AD1N_15)
EEPROM_SI: U6.5(SI) U247.L23(IO_L2N_T0_AD8N_15)
EEPROM_SO: U6.2(SO) U247.L22(IO_L2P_T0_AD8P_15)
EEPROM_WP_B: U6.3(W\P\) U247.K23(IO_L3P_T0_DQS_AD1P_15)
FAN_FG: R1928.2 R1929.2 U247.B19(IO_L24N_T3_17)
FAST_SHUTTER_IN1: R2405.1 U247.A25(IO_L10P_T1_16)
FAST_SHUTTER_IN1+: J103.4 R2424.2
FAST_SHUTTER_IN1-: J103.12 R2425.2
FAST_SHUTTER_IN2: R2406.1 U247.A26(IO_L10N_T1_16)
FAST_SHUTTER_IN2+: J103.5 R2426.2
FAST_SHUTTER_IN2-: J103.13 R2427.2
FAST_SHUTTER_IN3: R2407.1 U247.D27(IO_L13P_T2_MRCC_16)
FAST_SHUTTER_IN3+: J103.6 R2428.2
FAST_SHUTTER_IN3-: J103.14 R2429.2
FAST_SHUTTER_OUT1: R2411.2 U247.C30(IO_L16N_T2_16)
FAST_SHUTTER_OUT1+: J103.1 R2418.1
FAST_SHUTTER_OUT1-: J103.9 R2419.1
FAST_SHUTTER_OUT2: R2414.2 U247.B30(IO_L17P_T2_16)
FAST_SHUTTER_OUT2+: J103.2 R2420.1
FAST_SHUTTER_OUT2-: J103.10 R2421.1
FAST_SHUTTER_OUT3: R2417.2 U247.A30(IO_L17N_T2_16)
FAST_SHUTTER_OUT3+: J103.3 R2422.1
FAST_SHUTTER_OUT3-: J103.11 R2423.1
FPGA_1_25M_OSC_ETH: C2865.1(CAP2) R2762.2 U374.37(XTAL_OUT/EXT_CLK)
FPGA_1_ETH_INTB: R2745.2 U247.E19(IO_L14P_T2_SRCC_17)
FPGA_1_ETH_LED0: R2760.2 R2771.1 U374.32(LED_0/CFG_EXT)
FPGA_1_ETH_LED1: R2759.2 R2770.1 R2791.1 U374.33(LED_1/CFG_LDO0)
FPGA_1_ETH_LED2: R2758.2 R2769.1 R2790.1 U374.34(LED_2/CFG_LDO1)
FPGA_1_ETH_PWR_EN: R2775.2 U247.D18(IO_L13N_T2_MRCC_17)
FPGA_1_ETH_RESET_B: R2747.2 U247.E11(IO_L16N_T2_18)
FPGA_1_ETH_TD_M_A: J109.3 U374.2(MDIN0)
FPGA_1_ETH_TD_M_B: J109.7 U374.5(MDIN1)
FPGA_1_ETH_TD_M_C: J109.6 U374.7(MDIN2)
FPGA_1_ETH_TD_M_D: J109.9 U374.10(MDIN3)
FPGA_1_ETH_TD_P_A: J109.2 U374.1(MDIP0)
FPGA_1_ETH_TD_P_B: J109.4 U374.4(MDIP1)
FPGA_1_ETH_TD_P_C: J109.5 U374.6(MDIP2)
FPGA_1_ETH_TD_P_D: J109.8 U374.9(MDIP3)
FPGA_1_RGMII_RX_CLK: R2753.2 R2764.1 U247.H14(IO_L11P_T1_SRCC_18) U374.27(RX_CLK/PHYAD1)
FPGA_1_RGMII_RX_CTL: R2754.2 R2765.1 U247.E16(IO_L19N_T3_VREF_18) U374.26(RX_CTRL/PHYAD2)
FPGA_1_RGMII_RXD0: R2757.2 R2768.1 U247.E15(IO_L20N_T3_18) U374.25(RX_D0/RXDLY)
FPGA_1_RGMII_RXD1: R2756.2 R2767.1 U247.A12(IO_L17N_T2_18) U374.24(RX_D1/TXDLY)
FPGA_1_RGMII_RXD2: R2755.2 R2766.1 U247.D14(IO_L21P_T3_DQS_18) U374.23(RX_D2/PLLOFF)
FPGA_1_RGMII_RXD3: R2752.2 R2763.1 U247.B12(IO_L15N_T2_DQS_18) U374.22(RX_D3/PHYAD0)
FPGA_1_RGMII_TX_CLK: U247.C12(IO_L15P_T2_DQS_18) U374.20(GTX_CLK)
FPGA_1_RGMII_TX_CTL: U247.A11(IO_L17P_T2_18) U374.19(TX_CTRL)
FPGA_1_RGMII_TXD0: U247.E14(IO_L20P_T3_18) U374.18(TD_D0)
FPGA_1_RGMII_TXD1: U247.F15(IO_L19P_T3_18) U374.17(TD_D1)
FPGA_1_RGMII_TXD2: U247.C11(IO_L18N_T2_18) U374.16(TD_D2)
FPGA_1_RGMII_TXD3: U247.D11(IO_L18P_T2_18) U374.15(TD_D3)
FPGA_2_25M_OSC_ETH: C2615.1(CAP2) R2488.2 U325.37(XTAL_OUT/EXT_CLK)
FPGA_2_ETH_INTB: R2471.2 U247.H16(IO_L9N_T1_DQS_18)
FPGA_2_ETH_LED0: R2486.2 R2497.1 U325.32(LED_0/CFG_EXT)
FPGA_2_ETH_LED1: R2485.2 R2496.1 R2575.1 U325.33(LED_1/CFG_LDO0)
FPGA_2_ETH_LED2: R2484.2 R2495.1 R2573.1 U325.34(LED_2/CFG_LDO1)
FPGA_2_ETH_PWR_EN: R2536.2 U247.F11(IO_L16P_T2_18)
FPGA_2_ETH_RESET_B: R2472.2 U247.J11(IO_L8P_T1_18)
FPGA_2_ETH_TD_M_A: J106.3 U325.2(MDIN0)
FPGA_2_ETH_TD_M_B: J106.7 U325.5(MDIN1)
FPGA_2_ETH_TD_M_C: J106.6 U325.7(MDIN2)
FPGA_2_ETH_TD_M_D: J106.9 U325.10(MDIN3)
FPGA_2_ETH_TD_P_A: J106.2 U325.1(MDIP0)
FPGA_2_ETH_TD_P_B: J106.4 U325.4(MDIP1)
FPGA_2_ETH_TD_P_C: J106.5 U325.6(MDIP2)
FPGA_2_ETH_TD_P_D: J106.8 U325.9(MDIP3)
FPGA_2_RGMII_RX_CLK: R2479.2 R2490.1 U247.G13(IO_L12P_T1_MRCC_18) U325.27(RX_CLK/PHYAD1)